# Altium PCB EPS_v1.PcbDoc (part 3 of 4) (continued)
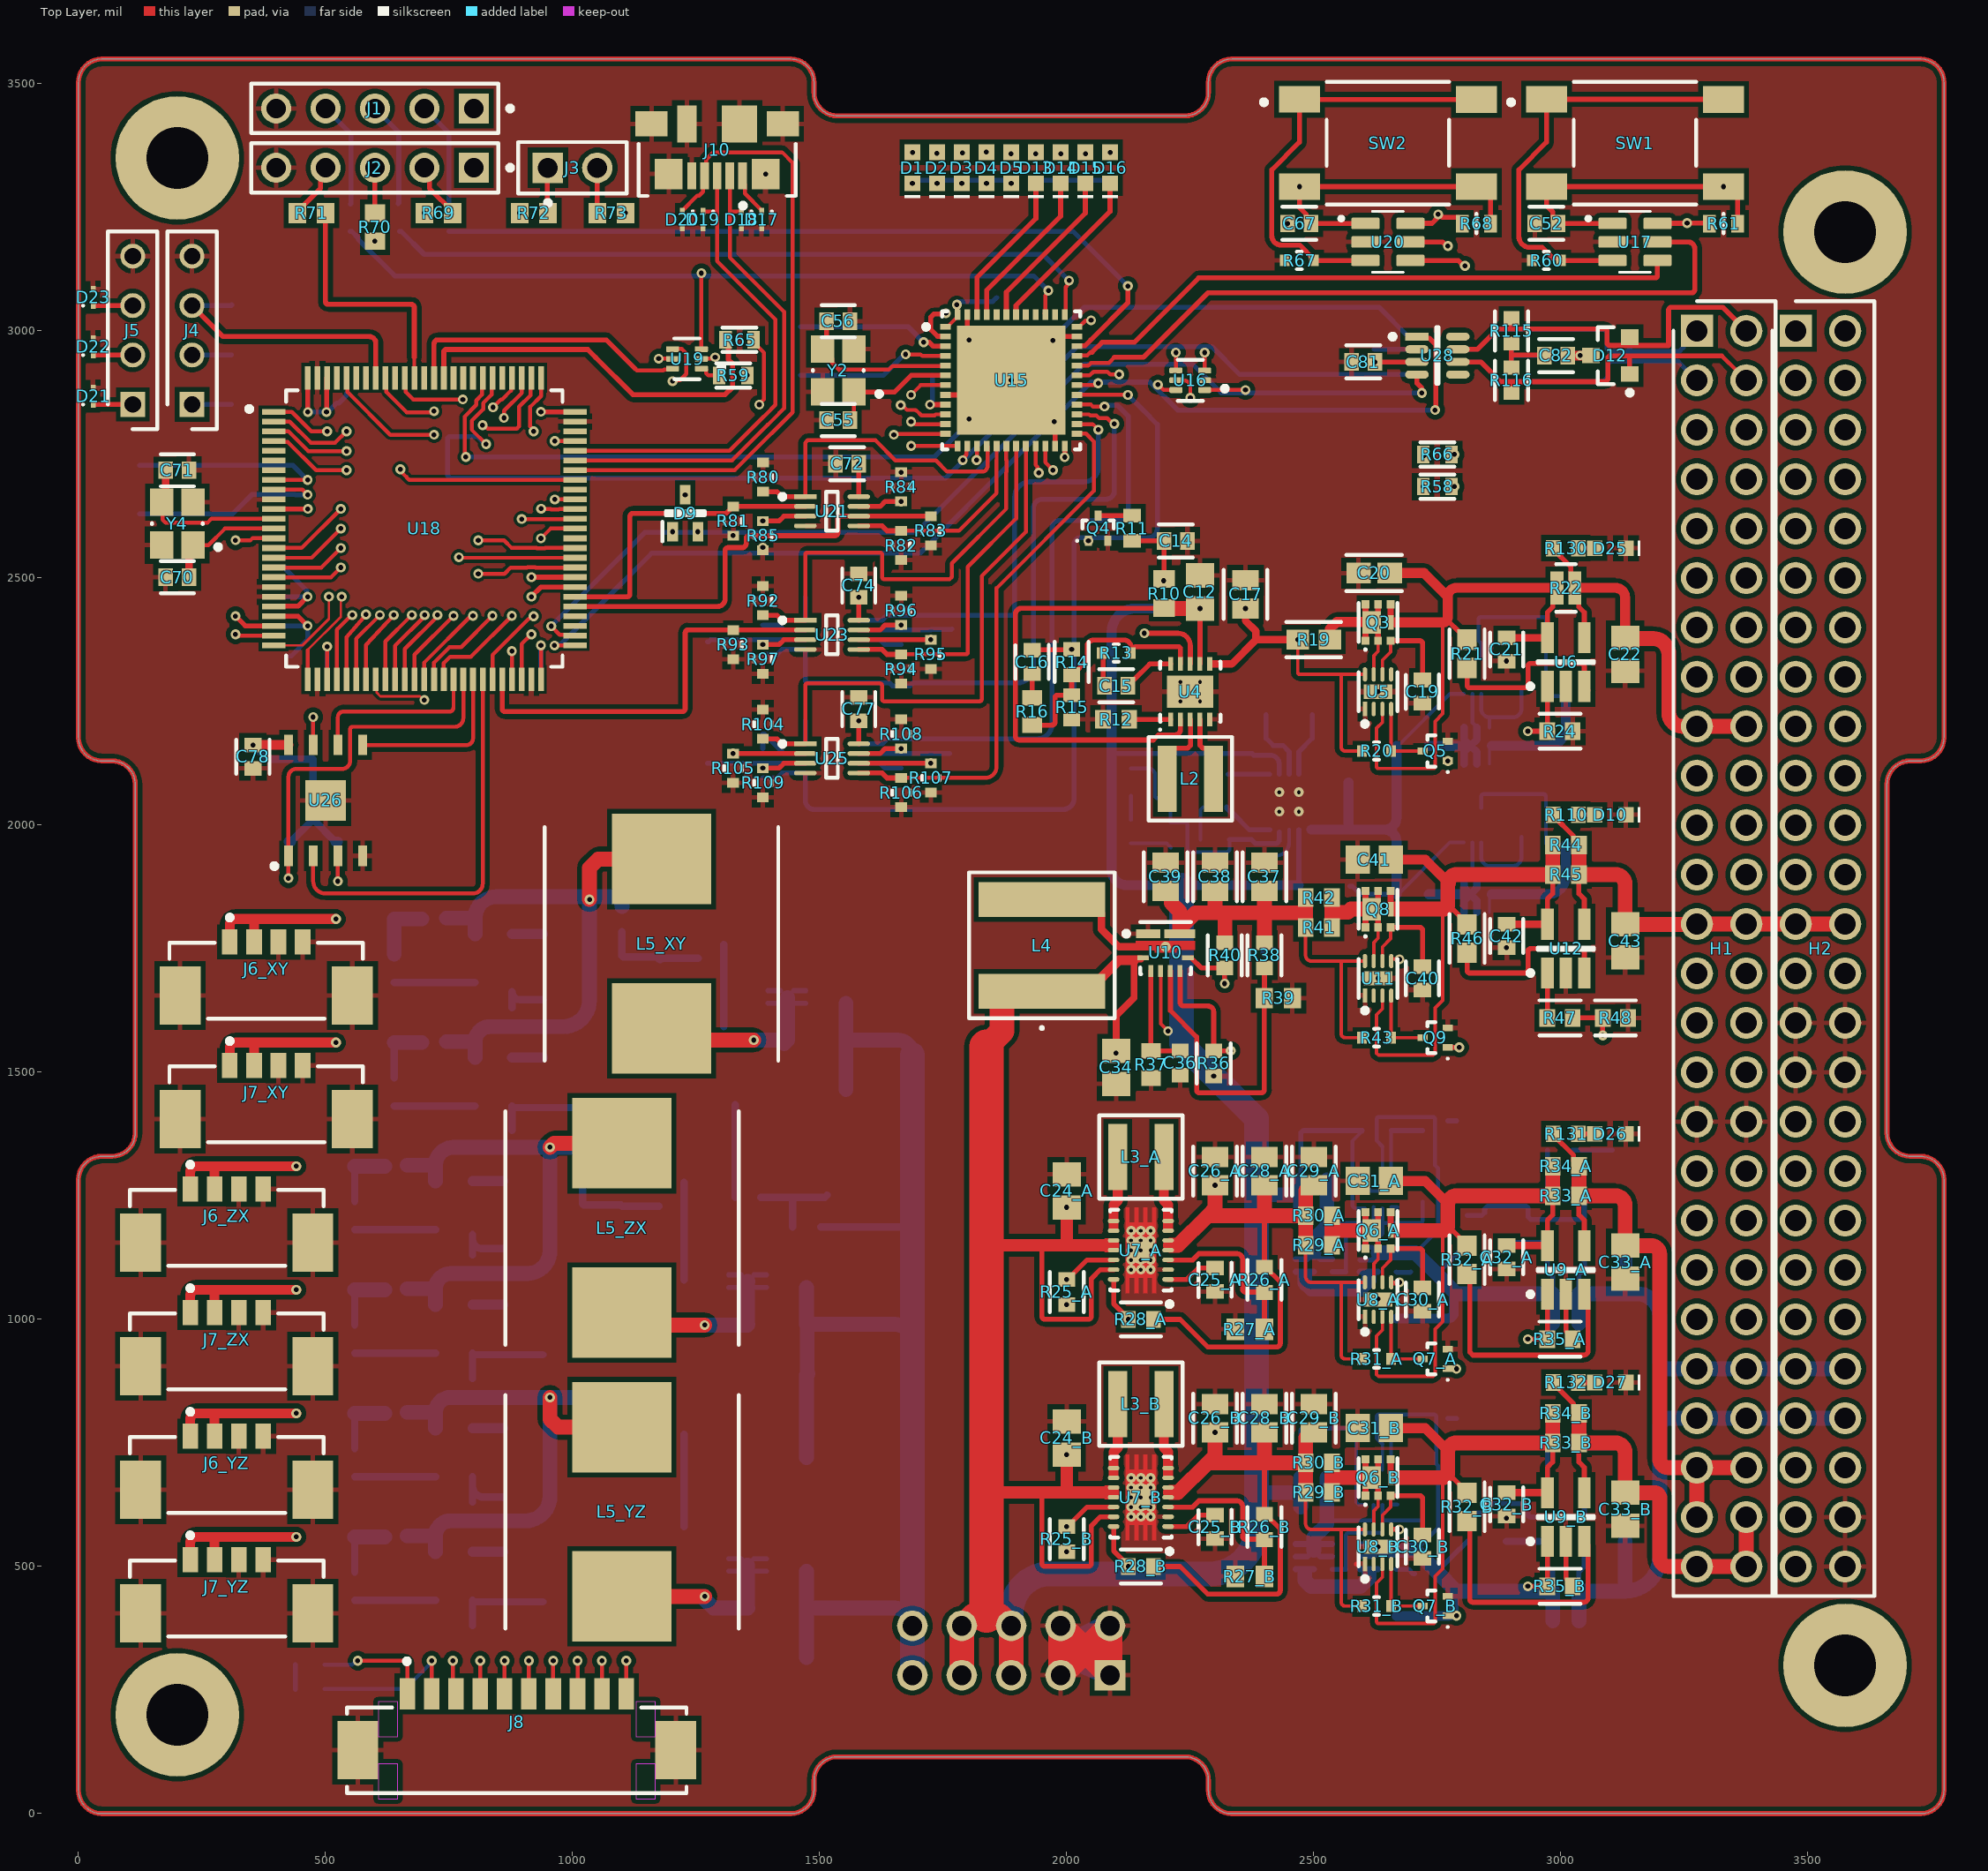
[diagram p0: Top Layer view]
## Nets (pads, with @x,y where several pads share a name; then routed paths per layer and width w, separated by ;. In a path a pad name is that pad's centre, name@x,y a point inside that pad or via, vN(x,y) a via of type N, cw(c..) or ccw(c..) an arc to the next point about the centre after c; other vN are vias at no path point) (continued)
  Bottom Layer w7.5: U2.6@2838.86,1965.04 2838.86,1934.36 ccw(c2855.59,1934.36) 2855.59,1917.62 Q1.3@2855.59,1896.91
  Bottom Layer w8: 2855.59,1917.62 2903.27,1917.62 ccw(c2903.27,1934.36) 2920,1934.36 C8.1@2920,1976.38
NetC10_1: C10.1 Q2.3 U3.6 | length 193.7
  Bottom Layer w7.5: U3.6@2838.86,2265.59 2838.86,2234.91 ccw(c2855.59,2234.91) 2855.59,2218.18 Q2.3@2855.59,2197.46
  Bottom Layer w8: 2855.59,2218.18 2903.27,2218.18 ccw(c2903.27,2234.91) 2920,2234.91 C10.1@2920,2276.93
NetC14_1: C14.1 R10.1 R11.2 U4.8 | length 409.1
  Top Layer w10: R11.2@2131.99,2575.09 C14.1@2197.12,2575.09 R10.1@2197.12,2498.03 ; v3(2157.1,2388.3) 2225.02,2388.3 cw(c2225.02,2363.32) 2250,2363.32 U4.8@2250,2326.1
  GND1 w10: v3(2157.1,2388.3) 2157.1,2455.3 v3(2196.4,2494.6)
NetC15_1: C15.1 U4.10 | length 107.1
  Top Layer w10: C15.1@2123.62,2281.81 2123.62,2284.76 2133.39,2294.53 2136.34,2294.53 2167.91,2326.1 U4.10@2210.63,2326.1
NetC15_2: C15.2 R13.1 | length 68.8
  Top Layer w10: R13.1@2070.47,2348.21 2073.43,2345.25 2073.43,2284.76 C15.2@2076.38,2281.81
NetC16_1: C16.1 C17.1 C18.1 R14.1 R19.1 R20.1 U4.6 U5.8 | length 1209.2
  Top Layer w7: v3(2467.44,2375.28) 2467.44,2309.06 ccw(c2471.42,2309.06) 2471.42,2305.09 ccw(c2472.54,2310.06) 2472.54,2304.96 2555.51,2304.96 ; R20.1@2597.52,2150 2563.17,2150 cw(c2563.17,2157.66) 2555.51,2157.66 2555.51,2304.96 ; U5.8@2603.43,2304.96 2555.51,2304.96
  Top Layer w10: C16.1@1930,2353.62 1931,2354.62 2009,2354.62 v3(2010,2355.62)
  Top Layer w15: 2295,2326.1 2333.83,2326.1 2383.01,2375.28 ; v2(2361.73,2438.27) 2361.73,2413.57 2383.01,2392.29 2383.01,2375.28 ; v3(2467.44,2375.28) 2383.01,2375.28
  GND1 w10: v3(2010,2355.62) 2447.79,2355.62 v3(2467.44,2375.28)
NetC16_2: C16.2 R16.2 | length 48.8
  Top Layer w10: R16.2@1930,2257.56 C16.2@1930,2306.38
NetC19_1: C19.1 Q3.3 U5.6 | length 216.4
  Top Layer w7: U5.6@2638.86,2304.96 2638.86,2333.58 2655.59,2350.31 Q3.3@2655.59,2373.09
  Top Layer w10: Q3.3@2655.59,2373.09 2714.14,2373.09 cw(c2714.14,2367.23) 2720,2367.23 C19.1@2720,2293.62
NetC20_1: C20.1 C21.1 Q3.4 Q3.7 R21.1 R22.1 U5.3 U6.5 | length 1344.9
  Top Layer w7: U5.3@2638.86,2235.04 2638.86,2208.26 2627.05,2196.45 2627.05,2118.67 ccw(c2631.15,2118.67) 2631.15,2114.57 2741.39,2114.57 ccw(c2741.39,2118.67) 2745.49,2118.67 2745.49,2210 2761.14,2225.65 2761.14,2410
  Top Layer w10: 2770.87,2414.41 2794.23,2391.04 2795.19,2391.04 2810,2376.23 R21.1@2810,2375.28 ; U6.5@2972.6,2379.21 2972.6,2430.39 2983.43,2441.22 R22.1@2983.43,2480
  Top Layer w12: Q3.7@2655.59,2410 Q3.4@2655.59,2446.91
  Top Layer w15: C21.1@2890,2379.21 U6.5@2972.6,2379.21
  Top Layer w20: C20.1@2653.66,2510 2723.41,2510 2770.98,2462.43 ; 2665,2410 2761.14,2410 ccw(c2761.14,2419.85) 2770.98,2419.85 2770.98,2462.43 ; R22.1@2991.79,2480 2788.56,2480 ccw(c2788.56,2462.43) 2770.98,2462.43
NetC25_A_1: C25_A.1 U7_A.1 | length 104.3
  Top Layer w10: U7_A.1@2205.12,1080.94 2243.15,1080.94 2265.83,1103.62 C25_A.1@2300,1103.62
NetC25_B_1: C25_B.1 U7_B.1 | length 104.3
  Top Layer w10: U7_B.1@2205.12,580.94 2243.15,580.94 2265.83,603.62 C25_B.1@2300,603.62
NetC26_A_1: C26_A.1 C27_A.1 C28_A.1 C29_A.1 R26_A.2 R28_A.2 R29_A.1 R30_A.1 R31_A.1 U7_A.4 U7_A.5 U8_A.8 | length 1500.4
  Top Layer w7: R29_A.1@2483.43,1150 2483.43,1086.13 ccw(c2494.59,1086.13) 2494.59,1074.96 2555.51,1074.96 ; R31_A.1@2597.52,920 2563.17,920 cw(c2563.17,927.66) 2555.51,927.66 2555.51,1074.96 ; U8_A.8@2603.43,1074.96 2555.51,1074.96
  Top Layer w10: R28_A.2@2175.62,1000 2229.4,1000 2285.55,943.85 2423.72,943.85 ccw(c2423.72,952.34) 2432.22,952.34 2432.22,1075.49 2402.08,1105.62 R26_A.2@2400,1105.62 2400,1210.44
  Top Layer w30: 2210,1149.84 2225.4,1149.84 2285.55,1210 ; v2(2300,1271.43) 2300,1224.45 2285.55,1210 ; C28_A.1@2400,1271.43 2400,1210.44 2399.56,1210 ; R29_A.1@2483.43,1150 R30_A.1@2483.43,1210 ; C29_A.1@2500,1271.43 2494.06,1271.43 2483.43,1260.79 R30_A.1@2483.43,1210 ; 2285.55,1210 2399.56,1210 ; 2399.56,1210 R30_A.1@2483.43,1210
NetC26_B_1: C26_B.1 C27_B.1 C28_B.1 C29_B.1 R26_B.2 R28_B.2 R29_B.1 R30_B.1 R31_B.1 U7_B.4 U7_B.5 U8_B.8 | length 1500.4
  Top Layer w7: R29_B.1@2483.43,650 2483.43,586.13 ccw(c2494.59,586.13) 2494.59,574.96 2555.51,574.96 ; R31_B.1@2597.52,420 2563.17,420 cw(c2563.17,427.66) 2555.51,427.66 2555.51,574.96 ; U8_B.8@2603.43,574.96 2555.51,574.96
  Top Layer w10: R28_B.2@2175.62,500 2229.4,500 2285.55,443.85 2423.72,443.85 ccw(c2423.72,452.34) 2432.22,452.34 2432.22,575.49 2402.08,605.62 R26_B.2@2400,605.62 2400,710.44
  Top Layer w30: 2210,649.84 2225.4,649.84 2285.55,710 ; v2(2300,771.43) 2300,724.45 2285.55,710 ; C28_B.1@2400,771.43 2400,710.44 2399.56,710 ; R29_B.1@2483.43,650 R30_B.1@2483.43,710 ; C29_B.1@2500,771.43 2494.06,771.43 2483.43,760.79 R30_B.1@2483.43,710 ; 2285.55,710 2399.56,710 ; 2399.56,710 R30_B.1@2483.43,710
NetC30_A_1: C30_A.1 Q6_A.3 U8_A.6 | length 216.4
  Top Layer w7: U8_A.6@2638.86,1074.96 2638.86,1103.58 2655.59,1120.31 Q6_A.3@2655.59,1143.09
  Top Layer w10: Q6_A.3@2655.59,1143.09 2714.14,1143.09 cw(c2714.14,1137.23) 2720,1137.23 C30_A.1@2720,1063.62
NetC30_B_1: C30_B.1 Q6_B.3 U8_B.6 | length 216.4
  Top Layer w7: U8_B.6@2638.86,574.96 2638.86,603.58 2655.59,620.31 Q6_B.3@2655.59,643.09
  Top Layer w10: Q6_B.3@2655.59,643.09 2714.14,643.09 cw(c2714.14,637.23) 2720,637.23 C30_B.1@2720,563.62
NetC31_A_2: C31_A.2 C32_A.1 Q6_A.4 Q6_A.7 R32_A.1 R33_A.1 R34_A.1 U8_A.3 U9_A.5 | length 1375.6
  Top Layer w7: U8_A.3@2638.86,1005.04 2638.86,978.26 2627.05,966.45 2627.05,888.67 2631.15,884.57 2741.39,884.57 2745.49,888.67 2745.49,980 2761.14,995.65 2761.14,1180
  Top Layer w10: 2780.17,1180 R32_A.1@2810,1150.17 ; U9_A.5@2972.6,1149.21 2972.6,1200.39 2983.43,1211.22 R33_A.1@2983.43,1250
  Top Layer w12: Q6_A.4@2655.59,1216.91 2655.59,1189.41 2665,1180
  Top Layer w15: C32_A.1@2890,1149.21 U9_A.5@2972.6,1149.21
  Top Layer w20: C31_A.2@2655.59,1280 2725.38,1280 2772.95,1232.43
  Top Layer w30: 2665,1180 2761.14,1180 ccw(c2761.14,1189.85) 2770.98,1189.85 2770.98,1232.43 cw(c2788.56,1232.43) 2788.56,1250 R33_A.1@2972.6,1250 ; R32_A.1@2810,1149.21 R32_A.1@2810,1150.17 ; R33_A.1@2983.43,1250 R34_A.1@2983.43,1310
NetC31_B_2: C31_B.2 C32_B.1 Q6_B.4 Q6_B.7 R32_B.1 R33_B.1 R34_B.1 U8_B.3 U9_B.5 | length 1376.9
  Top Layer w7: U8_B.3@2638.86,505.04 2638.86,478.26 2627.05,466.45 2627.05,388.67 ccw(c2631.15,388.67) 2631.15,384.57 2741.39,384.57 ccw(c2741.39,388.67) 2745.49,388.67 2745.49,480 2761.14,495.65 2761.14,680
  Top Layer w10: 2780.17,680 R32_B.1@2810,650.17 ; U9_B.5@2972.6,649.21 2972.6,700.39 2983.43,711.22 R33_B.1@2983.43,750
  Top Layer w12: Q6_B.4@2655.59,716.91 2655.59,689.41 2665,680
  Top Layer w15: C32_B.1@2890,649.21 U9_B.5@2972.6,649.21
  Top Layer w20: C31_B.2@2655.59,780 2725.38,780 2772.95,732.43
  Top Layer w30: 2665,680 2761.14,680 ccw(c2761.14,689.85) 2770.98,689.85 2770.98,732.43 cw(c2788.56,732.43) 2788.56,750 R33_B.1@2972.6,750 ; R32_B.1@2810,649.21 R32_B.1@2810,650.17 ; R33_B.1@2983.43,750 R34_B.1@2983.43,810
NetC36_2: C36.2 R37.2 U10.4 | length 220.3
  Top Layer w10: U10.4@2170.47,1704.72 R37.2@2170.47,1543.46 C36.2@2229.53,1543.46
NetC37_1: C37.1 C38.1 C39.1 R38.1 R40.1 R41.1 R42.1 R43.1 U10.9 U11.8 | length 1012.2
  Top Layer w7: R41.1@2483.42,1800 2483.42,1736.13 ccw(c2494.59,1736.13) 2494.59,1724.96 2555.51,1724.96 ; R43.1@2597.52,1570 2563.17,1570 cw(c2563.17,1577.66) 2555.51,1577.66 2555.51,1724.96 ; U11.8@2603.43,1724.96 2555.51,1724.96
  Top Layer w30: C39.1@2200,1866.9 2205.94,1866.9 2211.7,1861.14 2211.7,1842.2 2228.54,1825.36 2228.54,1791.41 2259.76,1822.62 2300,1822.62 ; C38.1@2300,1866.9 2300,1822.62 ; R40.1@2320,1762.22 2320,1822.62 ; R38.1@2400,1762.22 2400,1822.62 ; C37.1@2400,1866.9 2400,1822.62 ; R41.1@2483.43,1793.09 2483.43,1822.62 ; R42.1@2483.43,1853.42 2483.43,1822.62 ; 2300,1822.62 2320,1822.62 ; 2320,1822.62 2400,1822.62 ; 2400,1822.62 2483.43,1822.62
NetC40_1: C40.1 Q8.3 U11.6 | length 216.4
  Top Layer w7: U11.6@2638.86,1724.96 2638.86,1753.58 2655.59,1770.31 Q8.3@2655.59,1793.09
  Top Layer w10: Q8.3@2655.59,1793.09 2714.14,1793.09 cw(c2714.14,1787.23) 2720,1787.23 C40.1@2720,1713.62
NetC41_2: C41.2 C42.1 Q8.4 Q8.7 R44.1 R45.1 R46.1 U11.3 U12.5 | length 1392.1
  Top Layer w7: U11.3@2638.86,1655.04 2638.86,1628.26 2627.05,1616.45 2627.05,1538.67 2631.15,1534.57 2741.39,1534.57 2745.49,1538.67 2745.49,1630 2761.14,1645.65 2761.14,1830
  Top Layer w10: Q8.7@2655.59,1839.41 2665,1830 ; 2770.98,1839.85 2795.19,1815.64 2795.19,1814.02 R46.1@2810,1799.21 ; U12.5@2972.6,1799.21 2972.6,1850.39 2983.43,1861.22 R45.1@2983.43,1900
  Top Layer w12: Q8.7@2655.59,1839.41 Q8.4@2655.59,1866.91
  Top Layer w15: C42.1@2890,1799.21 U12.5@2972.6,1799.21
  Top Layer w20: C41.2@2655.59,1930 2725.38,1930 2772.95,1882.43
  Top Layer w30: C41.2@2655.59,1926.06 C41.2@2655.59,1930 ; 2665,1830 2761.14,1830 ccw(c2761.14,1839.85) 2770.98,1839.85 2770.98,1882.43 ; 2772.95,1882.43 2772.95,1884.39 cw(c2788.56,1884.39) 2788.56,1900 R45.1@2972.6,1900 ; R45.1@2983.43,1900 R44.1@2983.42,1960
NetC44_M_1: C44_M.1 Q10_M.3 Q11_M.3 U13_M.6 | length 509.8
  GND2 w10: v10(2564.83,1096.38) 2565.08,1096.12 2695.61,1096.12 v10(2695.87,1095.87)
  Bottom Layer w7.5: 2638.86,1193.78 U13_M.6@2638.86,1225.04 ; 2638.86,1195.04 2715.61,1195.04 ccw(c2715.61,1199.43) 2720,1199.43 C44_M.1@2720,1238.35
  Bottom Layer w8: v10(2564.83,1096.38) 2564.83,1164.08 cw(c2570.69,1164.08) 2570.69,1169.93 2634.17,1169.93 ccw(c2634.17,1174.62) 2638.86,1174.62 2638.86,1193.78 ; 2638.86,1195.04 2638.86,1195.36
  Bottom Layer w10: Q10_M.3@2536.91,1096.38 v10(2564.83,1096.38) ; Q11_M.3@2667.07,1096.22 2668.15,1095.14 2695.14,1095.14 v10(2695.87,1095.87)
NetC44_N_1: C44_N.1 Q10_N.3 Q11_N.3 U13_N.6 | length 534.4
  GND2 w10: v10(2564.83,494.41) 2566.28,494.41 2575.69,485 v10(2703.87,485)
  Bottom Layer w5: Q11_N.3@2666.91,494.41 Q11_N.3@2667.07,494.25
  Bottom Layer w7.5: 2638.86,572.65 2638.86,593.07 ; U13_N.6@2638.86,625.04 2638.86,593.39 2638.86,593.07 ; C44_N.1@2720,636.38 2720,597.46 cw(c2715.61,597.46) 2715.61,593.07 2638.86,593.07
  Bottom Layer w8: v10(2564.83,494.41) 2564.83,562.11 cw(c2570.69,562.11) 2570.69,567.96 2634.17,567.96 ccw(c2634.17,572.65) 2638.86,572.65
  Bottom Layer w10: Q10_N.3@2536.91,494.41 v10(2564.83,494.41) ; Q11_N.3@2667.07,494.25 2691.91,494.25 2701.17,485 v10(2703.87,485)
NetC45_M_2: C45_M.2 C46_M.1 Q11_M.1 Q11_M.2 Q11_M.5 Q11_M.6 Q11_M.8 R53_M.1 R54_M.1 R55_M.1 U13_M.3 U14_M.5 | length 1490.7
  Bottom Layer w7: U13_M.3@2638.86,1296.93 2638.86,1349.72
  Bottom Layer w8: 2638.86,1349.72 2627.05,1361.53 2627.05,1404.84 cw(c2631.73,1404.84) 2631.73,1409.53 2740.81,1409.53 cw(c2740.81,1404.84) 2745.49,1404.84 2745.49,1311.67 2751.22,1305.95 2751.22,1180.22 2705.76,1134.76
  Bottom Layer w10: Q11_M.5@2593.09,1120 2617.2,1120 Q11_M.8@2630,1132.8 2617.2,1145.59 Q11_M.6@2593.09,1145.59 ; 2748.88,1091.64 2794.23,1136.99 2795.19,1136.99 2810,1151.8 R53_M.1@2810,1152.76 ; U14_M.5@2972.6,1152.76 2972.6,1101.57 2983.42,1090.75 R55_M.1@2983.42,1051.97
  Bottom Layer w15: C46_M.1@2890,1152.76 U14_M.5@2972.6,1152.76
  Bottom Layer w20: C45_M.2@2666.91,1001.97 2771.41,1001.97 ccw(c2771.41,1013.68) 2783.12,1013.68 2783.12,1057.4
  Bottom Layer w30: Q11_M.8@2630,1134.76 2705.76,1134.76 2748.88,1091.64 2788.56,1051.97 R55_M.1@2972.6,1051.97 ; R54_M.1@2983.42,991.97 R55_M.1@2983.42,1051.97
NetC45_N_2: C45_N.2 C46_N.1 Q11_N.1 Q11_N.2 Q11_N.5 Q11_N.6 Q11_N.8 R53_N.1 R54_N.1 R55_N.1 U13_N.3 U14_N.5 | length 1491.8
  Bottom Layer w7: U13_N.3@2638.86,694.96 2638.86,747.75
  Bottom Layer w8: 2638.86,747.75 2627.05,759.57 2627.05,802.87 cw(c2631.73,802.87) 2631.73,807.56 2742.8,807.56 cw(c2742.8,802.87) 2747.48,802.87 2747.48,707.71 2751.22,703.98 2751.22,578.25 2705.76,532.8
  Bottom Layer w10: Q11_N.5@2593.09,520 2617.2,520 Q11_N.8@2630,532.8 2617.2,545.59 Q11_N.6@2593.09,545.59 ; 2748.88,489.67 2794.23,535.02 2795.19,535.02 2810,549.83 R53_N.1@2810,550.79 ; U14_N.5@2972.6,550.79 2972.6,499.61 2983.43,488.78 R55_N.1@2983.43,450
  Bottom Layer w15: C46_N.1@2890,550.79 U14_N.5@2972.6,550.79
  Bottom Layer w20: C45_N.2@2666.91,400 2771.41,400 ccw(c2771.41,411.72) 2783.12,411.72 2783.12,455.43
  Bottom Layer w30: Q11_N.8@2630,532.8 2705.76,532.8 2748.88,489.67 2788.56,450 R55_N.1@2972.6,450 ; R54_N.1@2983.43,390 R55_N.1@2983.43,450
NetC80_1: C80.1 R113.2 R114.1 | length 114.5
  Bottom Layer w10: R113.2@2900,2925.64 R114.1@2900,2974.36 ; 2900.6,2950 C80.1@2966.38,2950
NetC82_1: C82.1 R115.2 R116.1 | length 114.5
  Top Layer w10: R116.1@2899.5,2927.14 R115.2@2899.5,2975.86 ; 2900.1,2951.5 C82.1@2965.88,2951.5
NetC96_1: C96.1 R125.2 R126.1 U33.1 | length 195.8
  Bottom Layer w15: U33.1@1380.59,1246.69 R126.1@1445,1246.69 ; R125.2@1445,1187.29 R126.1@1445,1246.69 ; C96.1@1515,1251.61 1510.08,1246.69 R126.1@1445,1246.69
NetC104_XY_1: C104_XY.1 R123_XY.2 R124_XY.1 U31_XY.1 | length 212
  Bottom Layer w15: R123_XY.2@1100,1784.38 R124_XY.1@1100,1735.58 1102.46,1733.12 1177.54,1733.12 C104_XY.1@1180,1730.66 U31_XY.1@1254.21,1730.66
  Bottom Layer w20: C104_XY.1@1172.13,1735.58 C104_XY.1@1177.05,1730.66
NetC104_YZ_1: C104_YZ.1 R123_YZ.2 R124_YZ.1 U31_YZ.1 | length 191.4
  Bottom Layer w15: R123_YZ.2@1020,767.64 R124_YZ.1@1020,732.66 1022.46,730.2 1097.54,730.2 C104_YZ.1@1100,727.73 U31_YZ.1@1174.41,727.73
NetC104_ZX_1: C104_ZX.1 R123_ZX.2 R124_ZX.1 U31_ZX.1 | length 200.1
  Bottom Layer w15: R123_ZX.2@1020,1277.4 R124_ZX.1@1020,1233.84 1022.46,1231.38 1097.54,1231.38 1100.12,1228.8 1174.29,1228.8 U31_ZX.1@1174.41,1228.68
NetD1_2: D1.2 R74.2
  other v2: 1687.8,3360.8
NetD2_2: D2.2 R75.2
  other v2: 1737.4,3359.1
NetD3_2: D3.2 R76.2
  other v2: 1788.8,3360.2
NetD4_2: D4.2 R77.2
  other v2: 1837.1,3362.1
NetD5_2: D5.2 R78.2
  other v2: 1887.3,3358.5
NetD6_1: D6.1 J4.1 | length 82.2
  Bottom Layer w10: J4.1@229.6,2846.5 234.3,2851.2 D6.1@309.84,2851.2
NetD10_2: D10.2 R110.2 | length 32.9
  Top Layer w10: R110.2@3035.59,2021.02 D10.2@3068.5,2021.02
NetD13_2: D13.2 R117.2
  other v2: 1936.9,3358.3
NetD13_XY_1: D13_XY.1 R117_XY.1 R118_XY.1 | length 127.4
  Bottom Layer w30: R117_XY.1@639.06,1738.57 D13_XY.1@639.06,1810 R118_XY.1@695,1810
NetD13_XY_2: D13_XY.2 J6_XY.1 J6_XY.2 | length 302.3
  Top Layer w20: J6_XY.1@306.18,1763.74 306.18,1798.28 cw(c317.9,1798.28) 317.9,1810 355.39,1810 ; J6_XY.2@355.39,1763.74 355.39,1810 ; v2(520.94,1810) 355.39,1810
NetD13_YZ_1: D13_YZ.1 R117_YZ.1 R118_YZ.1 | length 132.3
  Bottom Layer w15: R117_YZ.1@559.06,738.57 D13_YZ.1@559.06,810
  Bottom Layer w30: D13_YZ.1@559.06,810 R118_YZ.1@619.9,810
NetD13_YZ_2: D13_YZ.2 J6_YZ.1 J6_YZ.2 | length 302.3
  Top Layer w20: J6_YZ.1@226.18,763.74 226.18,798.28 cw(c237.9,798.28) 237.9,810 275.39,810 ; J6_YZ.2@275.39,763.74 275.39,810 ; v2(440.94,810) 275.39,810
NetD13_ZX_1: D13_ZX.1 R117_ZX.1 R118_ZX.1 | length 132.3
  Bottom Layer w15: R117_ZX.1@559.06,1238.57 D13_ZX.1@559.06,1310
  Bottom Layer w30: D13_ZX.1@559.06,1310 R118_ZX.1@619.9,1310
NetD13_ZX_2: D13_ZX.2 J6_ZX.1 J6_ZX.2 | length 302.3
  Top Layer w20: J6_ZX.1@226.18,1263.74 226.18,1298.28 cw(c237.9,1298.28) 237.9,1310 275.39,1310 ; J6_ZX.2@275.39,1263.74 275.39,1310 ; v2(440.94,1310) 275.39,1310
NetD14_2: D14.2 R118.2
  other v2: 1987.7,3358.1
NetD14_XY_1: D14_XY.1 R120_XY.1 R121_XY.1 | length 127.4
  Bottom Layer w15: R120_XY.1@639.06,1488.57 D14_XY.1@639.06,1560
  Bottom Layer w30: D14_XY.1@639.06,1560 R121_XY.1@695,1560
NetD14_XY_2: D14_XY.2 J7_XY.1 J7_XY.2 | length 302.3
  Top Layer w20: J7_XY.1@306.18,1513.74 306.18,1548.28 cw(c317.9,1548.28) 317.9,1560 355.39,1560 ; J7_XY.2@355.39,1513.74 355.39,1560 ; v2(520.94,1560) 355.39,1560
NetD14_YZ_1: D14_YZ.1 R120_YZ.1 R121_YZ.1 | length 132.3
  Bottom Layer w15: R120_YZ.1@559.06,488.57 D14_YZ.1@559.06,560
  Bottom Layer w30: D14_YZ.1@559.06,560 R121_YZ.1@619.9,560
NetD14_YZ_2: D14_YZ.2 J7_YZ.1 J7_YZ.2 | length 302.3
  Top Layer w20: J7_YZ.1@226.18,513.74 226.18,548.28 cw(c237.9,548.28) 237.9,560 275.39,560 ; J7_YZ.2@275.39,513.74 275.39,560 ; v2(440.94,560) 275.39,560
NetD14_ZX_1: D14_ZX.1 R120_ZX.1 R121_ZX.1 | length 132.3
  Bottom Layer w15: R120_ZX.1@559.06,988.57 D14_ZX.1@559.06,1060
  Bottom Layer w30: D14_ZX.1@559.06,1060 R121_ZX.1@619.9,1060
NetD14_ZX_2: D14_ZX.2 J7_ZX.1 J7_ZX.2 | length 302.3
  Top Layer w20: J7_ZX.1@226.18,1013.74 226.18,1048.28 cw(c237.9,1048.28) 237.9,1060 275.39,1060 ; J7_ZX.2@275.39,1013.74 275.39,1060 ; v2(440.94,1060) 275.39,1060
NetD15_2: D15.2 R119.2
  other v2: 2037.9,3358.5
NetD15_XY_2: D15_XY.2 L5_XY.2 U32_XY.1 U32_XY.2 U32_XY.5 U32_XY.6 U32_XY.8 | length 462.6
  Top Layer w30: L5_XY.2@1180,1588.74 1203.62,1565.12 v2(1366.73,1565.12)
  Bottom Layer w10: U32_XY.1@1395.55,1639.53 U32_XY.8@1421.14,1639.53 ; U32_XY.2@1395.55,1665.12 U32_XY.8@1421.14,1665.12 ; U32_XY.8@1446.73,1639.53 U32_XY.6@1472.32,1639.53 ; U32_XY.8@1446.73,1665.12 U32_XY.5@1472.32,1665.12
  Bottom Layer w30: v2(1366.73,1565.12) D15_XY.2@1435.2,1565.12 ; D15_XY.2@1428.08,1558.07 D15_XY.2@1435.16,1565.15 ; D15_XY.2@1435.2,1565.78 1435.2,1639.53 U32_XY.8@1435.2,1651.06
NetD15_YZ_2: D15_YZ.2 L5_YZ.2 U32_YZ.1 U32_YZ.2 U32_YZ.5 U32_YZ.6 U32_YZ.8 | length 418.1
  Top Layer w30: L5_YZ.2@1148.94,413.24 1175.17,439.48 v2(1267.32,439.48)
  Bottom Layer w10: U32_YZ.1@1315.55,490.26 U32_YZ.8@1341.14,490.26 ; U32_YZ.2@1315.55,515.85 U32_YZ.8@1341.14,515.85 ; U32_YZ.8@1366.73,490.26 U32_YZ.6@1392.32,490.26 ; U32_YZ.8@1366.73,515.85 U32_YZ.5@1392.32,515.85
  Bottom Layer w30: v2(1267.32,439.48) 1267.32,433.43 1284.9,415.85 D15_YZ.2@1355.2,415.85 ; D15_YZ.2@1353.94,417.78 1353.94,490.26 U32_YZ.8@1353.94,503.06
NetD15_ZX_2: D15_ZX.2 L5_ZX.2 U32_ZX.1 U32_ZX.2 U32_ZX.5 U32_ZX.6 U32_ZX.8 | length 405.3
  Top Layer w30: L5_ZX.2@1148.94,964.8 1172.7,988.57 v2(1267.32,988.57)
  Bottom Layer w10: U32_ZX.1@1315.55,1064.53 U32_ZX.8@1341.14,1064.53 ; U32_ZX.2@1315.55,1090.12 U32_ZX.8@1341.14,1090.12 ; U32_ZX.8@1366.73,1064.53 U32_ZX.6@1392.32,1064.53 ; U32_ZX.8@1366.73,1090.12 U32_ZX.5@1392.32,1090.12
  Bottom Layer w30: v2(1267.32,988.57) 1353.65,988.57 D15_ZX.2@1355.2,990.12 ; D15_ZX.2@1353.94,992.04 1353.94,1064.53 U32_ZX.8@1353.94,1077.32 U32_ZX.8@1354.57,1076.69
NetD16_2: D16.2 R120.2
  other v2: 2087.8,3361
NetD17_1: D17.1 J10.1 | length 78.9
  Top Layer w8: J10.1@1341.5,3303.4 1348.54,3296.36 1348.54,3277.72 1382.56,3243.7 D17.1@1382.56,3241.54
NetD21_1: D21.1 J5.1 | length 77.3
  Top Layer w10: D21.1@29.84,2851.2 103.5,2851.2 J5.1@106.1,2853.8
NetD25_2: D25.2 R130.2 | length 32.9
  Top Layer w10: R130.2@3035.59,2560.3 D25.2@3068.5,2560.3
NetD26_2: D26.2 R131.2 | length 32.9
  Top Layer w10: R131.2@3035.59,1375.43 D26.2@3068.5,1375.43
NetD27_2: D27.2 R132.2 | length 32.9
  Top Layer w10: R132.2@3035.59,872.32 D27.2@3068.5,872.32
NetJ1_2: J1.2 R62.2 | length 211.4
  Bottom Layer w10: J1.2@700,3450 750,3400 R62.2@750,3259.3
NetJ1_3: J1.3 R63.2 | length 212.8
  Bottom Layer w10: J1.3@600,3450 648.3,3401.7 648.3,3258.9 R63.2@647.1,3257.7
NetJ1_4: J1.4 R64.2 | length 215
  Bottom Layer w10: J1.4@500,3450 551.3,3398.7 551.3,3257.4 R64.2@550.5,3256.6
NetJ2_2: J2.2 R69.2 | length 116.1
  Top Layer w10: J2.2@700,3330 710.15,3319.85 710.15,3288.44 759.7,3238.88 R69.2@759.7,3238.6
NetJ2_3: J2.3 R70.2 | length 98.1
  Top Layer w10: R70.2@596.9,3241.2 600,3244.3 600,3321.9 593.6,3328.3 595.3,3330 J2.3@600,3330
NetJ2_4: J2.4 R71.2 | length 118.5
  Top Layer w8: R71.2@444.5,3234.5 R71.2@444.5,3243.08
  Top Layer w10: R71.2@444.5,3243.08 489.85,3288.44 489.85,3319.85 J2.4@500,3330
NetJ3_1: J3.1 R72.2 | length 93
  Top Layer w10: R72.2@948.9,3237.5 948.9,3326.9 950,3328 J3.1@950,3330
NetJ3_2: J3.2 R73.2 | length 90.4
  Top Layer w10: J3.2@1050,3330 1051,3330 1051.6,3329.4 1050,3327.8 1050,3246.5 R73.2@1053.5,3243
NetL1_1: L1.1 U1.4 | length 131.3
  Bottom Layer w10: U1.4@2469.68,2103.01 2469.68,2148.56 2496.65,2175.53 L1.1@2496.65,2223.17
NetL1_2: L1.2 U1.3 | length 151
  Bottom Layer w10: L1.2@2403.35,2223.17 2403.35,2175.53 2417.64,2161.24 2437.32,2161.24 2450,2148.56 U1.3@2450,2103.01
NetL2_1: L2.1 U4.4 | length 135.3
  Top Layer w10: U4.4@2269.68,2213.9 2269.68,2161.53 2275.54,2155.67 2282.36,2155.67 2296.65,2141.38 L2.1@2296.65,2118.79
  Top Layer w20: L2.1@2296.65,2093.74 L2.1@2296.65,2118.79
NetL2_2: L2.2 U4.3 | length 107.7
  Top Layer w10: L2.2@2203.35,2141.38 2217.46,2155.49 2244.33,2155.49 2250.18,2161.35 2250.18,2201.97 2250.08,2202.08 2250.08,2213.82 U4.3@2250,2213.9
NetL3_A_1: L3_A.1 U7_A.8 U7_A.9 | length 147.1
  Top Layer w20: 2094.88,1185 2094.88,1231.53 2103.35,1239.99 L3_A.1@2103.35,1328.57
NetL3_A_2: L3_A.2 U7_A.6 U7_A.7 | length 147.1
  Top Layer w20: L3_A.2@2196.65,1328.57 2196.65,1239.99 2205.12,1231.53 2205.12,1185
NetL3_B_1: L3_B.1 U7_B.8 U7_B.9 | length 147.1
  Top Layer w20: 2094.88,685 2094.88,731.53 2103.35,739.99 L3_B.1@2103.35,828.57
NetL3_B_2: L3_B.2 U7_B.6 U7_B.7 | length 147.1
  Top Layer w20: L3_B.2@2196.65,828.57 2196.65,739.99 2205.12,731.53 2205.12,685
NetL4_2: L4.2 U10.2 | length 309.3
  Top Layer w15: L4.2@1949.68,1849.61 2042.6,1849.61 2070.14,1822.07 2070.14,1789.16 2105.56,1753.74 U10.2@2200,1753.74
NetL5_XY_1: L5_XY.1 R118_XY.2 R121_XY.2 R123_XY.1 U29_XY.4 U30_XY.4 | length 1216.4
  Top Layer w30: v2(1034.17,1849.37) 1034.17,1913.69 1051.74,1931.26 L5_XY.1@1180,1931.26
  Bottom Layer w30: R121_XY.2@745,1562.1 803.01,1562.1 ; R118_XY.2@745,1812.1 803.01,1812.1 ; U30_XY.4@802.6,1529.86 802.6,1561.68 cw(c833.4,1561.68) 833.4,1592.48 ; U29_XY.4@802.6,1779.86 802.6,1811.68 cw(c846.16,1811.68) 846.16,1855.24 1028.29,1855.24 v2(1034.17,1849.37) ; 829.62,1592.48 833.4,1592.48 ; v2@1034.17,1845.88 1034.17,1645.78 cw(c980.87,1645.78) 980.87,1592.48 833.4,1592.48 ; v2@1034.17,1855.24 1080.38,1855.24 cw(c1080.38,1835.62) R123_XY.1@1100,1835.62
NetL5_YZ_1: L5_YZ.1 R118_YZ.2 R121_YZ.2 R123_YZ.1 U29_YZ.4 U30_YZ.4 | length 1183.1
  Top Layer w30: v2(954.17,842.1) 954.17,798.28 970.45,782 L5_YZ.1@1100,782
  Bottom Layer w30: R121_YZ.2@665,562.1 723.01,562.1 ; R118_YZ.2@665,812.1 723.01,812.1 ; U30_YZ.4@722.6,529.86 722.6,561.68 cw(c753.4,561.68) 753.4,592.48 904.64,592.48 ccw(c904.64,642.01) 954.17,642.01 v2(954.17,842.1) ; U29_YZ.4@722.6,779.86 722.6,811.68 cw(c753.02,811.68) 753.02,842.1 v2(954.17,842.1) ; R123_YZ.1@1020,818.89 1020,822.45 ccw(c1000.35,822.45) 1000.35,842.1 v2(954.17,842.1)
NetL5_ZX_1: L5_ZX.1 R118_ZX.2 R121_ZX.2 R123_ZX.1 U29_ZX.4 U30_ZX.4 | length 1134
  Top Layer w30: v2(954.17,1348.27) 962.16,1356.26 L5_ZX.1@1100,1356.26
  Bottom Layer w30: R121_ZX.2@665,1062.1 723.01,1062.1 ; R118_ZX.2@665,1312.1 723.01,1312.1 ; U30_ZX.4@722.6,1029.86 722.6,1061.68 cw(c753.76,1061.68) 753.76,1092.85 908.21,1092.85 ccw(c908.21,1138.81) 954.17,1138.81 v2@954.17,1338.9 ; U29_ZX.4@722.6,1279.86 722.6,1311.68 cw(c759.18,1311.68) 759.18,1348.27 1000.38,1348.27 cw(c1000.38,1328.65) R123_ZX.1@1020,1328.65
NetQ1_1: Q1.1 Q1.2 Q1.5 Q1.6 Q1.8 R7.2 U2.7 | length 324.8
  Bottom Layer w7.5: U2.7@2821.14,1965.04 2821.14,1906.26 Q1.2@2830,1897.4
  Bottom Layer w15: Q1.6@2804.41,1823.09 2804.41,1847.2 Q1.8@2817.2,1860 ; Q1.1@2804.41,1896.91 2804.41,1872.8 Q1.8@2817.2,1860 ; Q1.5@2830,1823.09 2830,1847.2 Q1.8@2817.2,1860 ; Q1.2@2830,1896.91 2830,1872.8 Q1.8@2817.2,1860
  Bottom Layer w20: R7.2@2732.56,1860 Q1.8@2817.2,1860
NetQ2_1: Q2.1 Q2.2 Q2.5 Q2.6 Q2.8 R8.2 U3.7 | length 409.4
  Bottom Layer w7.5: U3.7@2821.14,2265.59 2821.14,2206.81 Q2.2@2830,2197.95
  Bottom Layer w15: Q2.6@2804.41,2123.64 2804.41,2147.76 Q2.8@2817.2,2160.55 ; Q2.1@2804.41,2197.46 2804.41,2173.35 Q2.8@2817.2,2160.55 ; Q2.5@2830,2123.64 2830,2147.76 Q2.8@2817.2,2160.55 ; Q2.2@2830,2197.46 2830,2173.35 Q2.8@2817.2,2160.55
  Bottom Layer w20: R8.2@2732.56,2160 Q2.8@2817.2,2160 ; R8.2@2732.56,2160.55 Q2.8@2817.2,2160.55
NetQ3_1: Q3.1 Q3.2 Q3.5 Q3.6 Q3.8 R19.2 U5.7 | length 269.9
  Top Layer w7: U5.7@2621.14,2304.96 2621.14,2342.53 2630,2351.39 Q3.2@2630,2373.09
  Top Layer w12: Q3.1@2604.41,2373.09 Q3.8@2604.41,2397.2 ; Q3.8@2604.41,2422.8 Q3.6@2604.41,2446.91 ; Q3.2@2630,2373.09 Q3.8@2630,2392.36 ; Q3.8@2630,2427.64 Q3.5@2630,2446.91
  Top Layer w20: R19.2@2532.56,2375.28 2532.56,2397.2 2546.3,2410.95 Q3.8@2616.26,2410.95
NetQ4_3: Q4.3 R11.1 | length 68.4
  Top Layer w10: Q4.3@2063.62,2626.27 R11.1@2131.99,2626.27
NetQ5_3: Q5.3 R20.2 U5.4 | length 148.5
  Top Layer w7: U5.4@2656.57,2235.04 R20.2@2656.57,2150 Q5.3@2720,2150
NetQ6_A_1: Q6_A.1 Q6_A.2 Q6_A.5 Q6_A.6 Q6_A.8 R29_A.2 R30_A.2 U8_A.7 | length 376.4
  Top Layer w7: U8_A.7@2621.14,1074.96 2621.14,1112.53 2630,1121.39 Q6_A.2@2630,1143.09
  Top Layer w10: Q6_A.8@2604.41,1167.2 Q6_A.8@2617.2,1180 ; Q6_A.8@2604.41,1192.8 2610.81,1186.4 Q6_A.8@2617.2,1180 ; Q6_A.8@2617.2,1175.16 Q6_A.8@2630,1162.36 ; Q6_A.8@2630,1197.64 2617.2,1184.84 Q6_A.8@2617.2,1180
  Top Layer w12: Q6_A.1@2604.41,1143.09 Q6_A.8@2604.41,1167.2 ; Q6_A.8@2604.41,1192.8 Q6_A.6@2604.41,1216.91 ; Q6_A.2@2630,1143.09 Q6_A.8@2630,1162.36 ; Q6_A.8@2630,1197.64 Q6_A.5@2630,1216.91
  Top Layer w30: R29_A.2@2536.57,1150 2536.57,1180 ; R30_A.2@2536.57,1210 2536.57,1207.05 2536.57,1180 ; Q6_A.8@2617.2,1180 2536.57,1180
NetQ6_B_1: Q6_B.1 Q6_B.2 Q6_B.5 Q6_B.6 Q6_B.8 R29_B.2 R30_B.2 U8_B.7 | length 371.4
  Top Layer w7: U8_B.7@2621.14,574.96 2621.14,612.53 2630,621.39 Q6_B.2@2630,643.09
  Top Layer w10: Q6_B.8@2604.41,667.2 Q6_B.8@2617.2,680 ; Q6_B.8@2604.41,692.8 2610.81,686.4 Q6_B.8@2617.2,680 ; Q6_B.8@2630,662.36 2617.2,675.16 Q6_B.8@2617.2,680 ; Q6_B.8@2630,697.64 2617.2,684.84 Q6_B.8@2617.2,680
  Top Layer w12: Q6_B.1@2604.41,643.09 Q6_B.8@2604.41,667.2 ; Q6_B.8@2604.41,692.8 Q6_B.6@2604.41,716.91 ; Q6_B.2@2630,643.09 Q6_B.8@2630,662.36 ; Q6_B.8@2630,697.64 Q6_B.5@2630,716.91
  Top Layer w30: R29_B.2@2536.57,650 2536.57,680 ; R30_B.2@2536.57,707.05 R30_B.2@2536.57,710 2536.57,680 ; Q6_B.8@2604.41,680 2536.57,680
NetQ7_A_3: Q7_A.3 R31_A.2 U8_A.4 | length 148.5
  Top Layer w7: U8_A.4@2656.57,1005.04 R31_A.2@2656.57,920 Q7_A.3@2720,920
NetQ7_B_3: Q7_B.3 R31_B.2 U8_B.4 | length 148.5
  Top Layer w7: U8_B.4@2656.57,505.04 R31_B.2@2656.57,420 Q7_B.3@2720,420
NetQ8_1: Q8.1 Q8.2 Q8.5 Q8.6 Q8.8 R41.2 R42.2 U11.7 | length 357.6
  Top Layer w7: Q8.8@2617.2,1830 Q8.8@2630,1817.2 ; U11.7@2621.14,1724.96 2621.14,1762.53 2630,1771.39 Q8.2@2630,1793.09
  Top Layer w8: Q8.8@2617.2,1830 Q8.8@2630,1842.8
  Top Layer w12: Q8.1@2604.41,1793.09 Q8.8@2604.41,1830 ; Q8.8@2604.41,1842.8 Q8.6@2604.41,1866.91 ; Q8.2@2630,1793.09 Q8.8@2630,1817.2 ; Q8.8@2630,1842.8 Q8.5@2630,1866.91
  Top Layer w30: R41.2@2536.57,1793.09 2536.57,1823.56 ; R42.2@2536.57,1850.14 2536.57,1823.56 ; Q8.8@2617.2,1830 2575.3,1830 2568.86,1823.56 2536.57,1823.56
NetQ9_3: Q9.3 R43.2 U11.4 | length 148.5
  Top Layer w7: U11.4@2656.57,1655.04 R43.2@2656.57,1570 Q9.3@2720,1570
NetQ10_M_1: Q10_M.1 Q10_M.2 Q10_M.5 Q10_M.6 Q10_M.8 R49_M.2 R50_M.2 U13_M.7 | length 473.6
  Bottom Layer w7.5: R50_M.2@2526.57,1221.97 2532.94,1215.6 2532.94,1196.41 2533.99,1195.36 2616.75,1195.36 ccw(c2616.75,1199.75) 2621.14,1199.75 U13_M.7@2621.14,1227.01
  Bottom Layer w12: Q10_M.5@2463.09,1121.97 2487.2,1121.97 Q10_M.8@2500,1134.76 ; Q10_M.6@2463.09,1147.56 2487.2,1147.56 Q10_M.8@2500,1134.76 ; Q10_M.2@2536.91,1121.97 2512.79,1121.97 Q10_M.8@2500,1134.76 ; Q10_M.1@2536.91,1147.56 2512.79,1147.56 Q10_M.8@2500,1134.76
  Bottom Layer w30: Q10_M.8@2500,1134.76 2500,1161.34 2526.57,1187.91 2526.57,1221.97 R49_M.2@2526.57,1281.97
NetQ10_M_4: Q10_M.4 Q10_M.7 Q11_M.4 Q11_M.7 | length 232.8
  Bottom Layer w12: Q10_M.4@2463.09,1096.38 Q10_M.7@2500,1096.38 ; Q11_M.4@2593.09,1096.38 2611.54,1096.38 Q11_M.7@2630,1096.38
  Bottom Layer w30: 2481.73,1074.29 2494.85,1061.17 2593.97,1061.17 2611.54,1078.74 2611.54,1086.97 ; 2481.73,1078.74 2481.73,1086.97
NetQ10_N_1: Q10_N.1 Q10_N.2 Q10_N.5 Q10_N.6 Q10_N.8 R49_N.2 R50_N.2 U13_N.7 | length 473.6
  Bottom Layer w7.5: R49_N.2@2526.57,620 2532.94,613.64 2532.94,594.44 2533.99,593.39 2616.75,593.39 ccw(c2616.75,597.78) 2621.14,597.78 U13_N.7@2621.14,625.04
  Bottom Layer w12: Q10_N.5@2463.09,520 2487.2,520 Q10_N.8@2500,532.8 ; Q10_N.6@2463.09,545.59 2487.2,545.59 Q10_N.8@2500,532.8 ; Q10_N.2@2536.91,520 2512.8,520 Q10_N.8@2500,532.8 ; Q10_N.1@2536.91,545.59 2512.8,545.59 Q10_N.8@2500,532.8
  Bottom Layer w30: Q10_N.8@2500,532.8 2500,559.37 2526.57,585.94 R49_N.2@2526.57,620 R50_N.2@2526.57,680